# Altium PCB PCB1.PcbDoc (part 1 of 2)
Units mil, origin at the board's own origin, x right, y up, seen from the top; angles counter-clockwise.
Board outline 2755.91 x 2755.91 mil, 2 copper layers (Top Layer, Bottom Layer); 175 components, 102 nets, 607 pads, 396 vias.
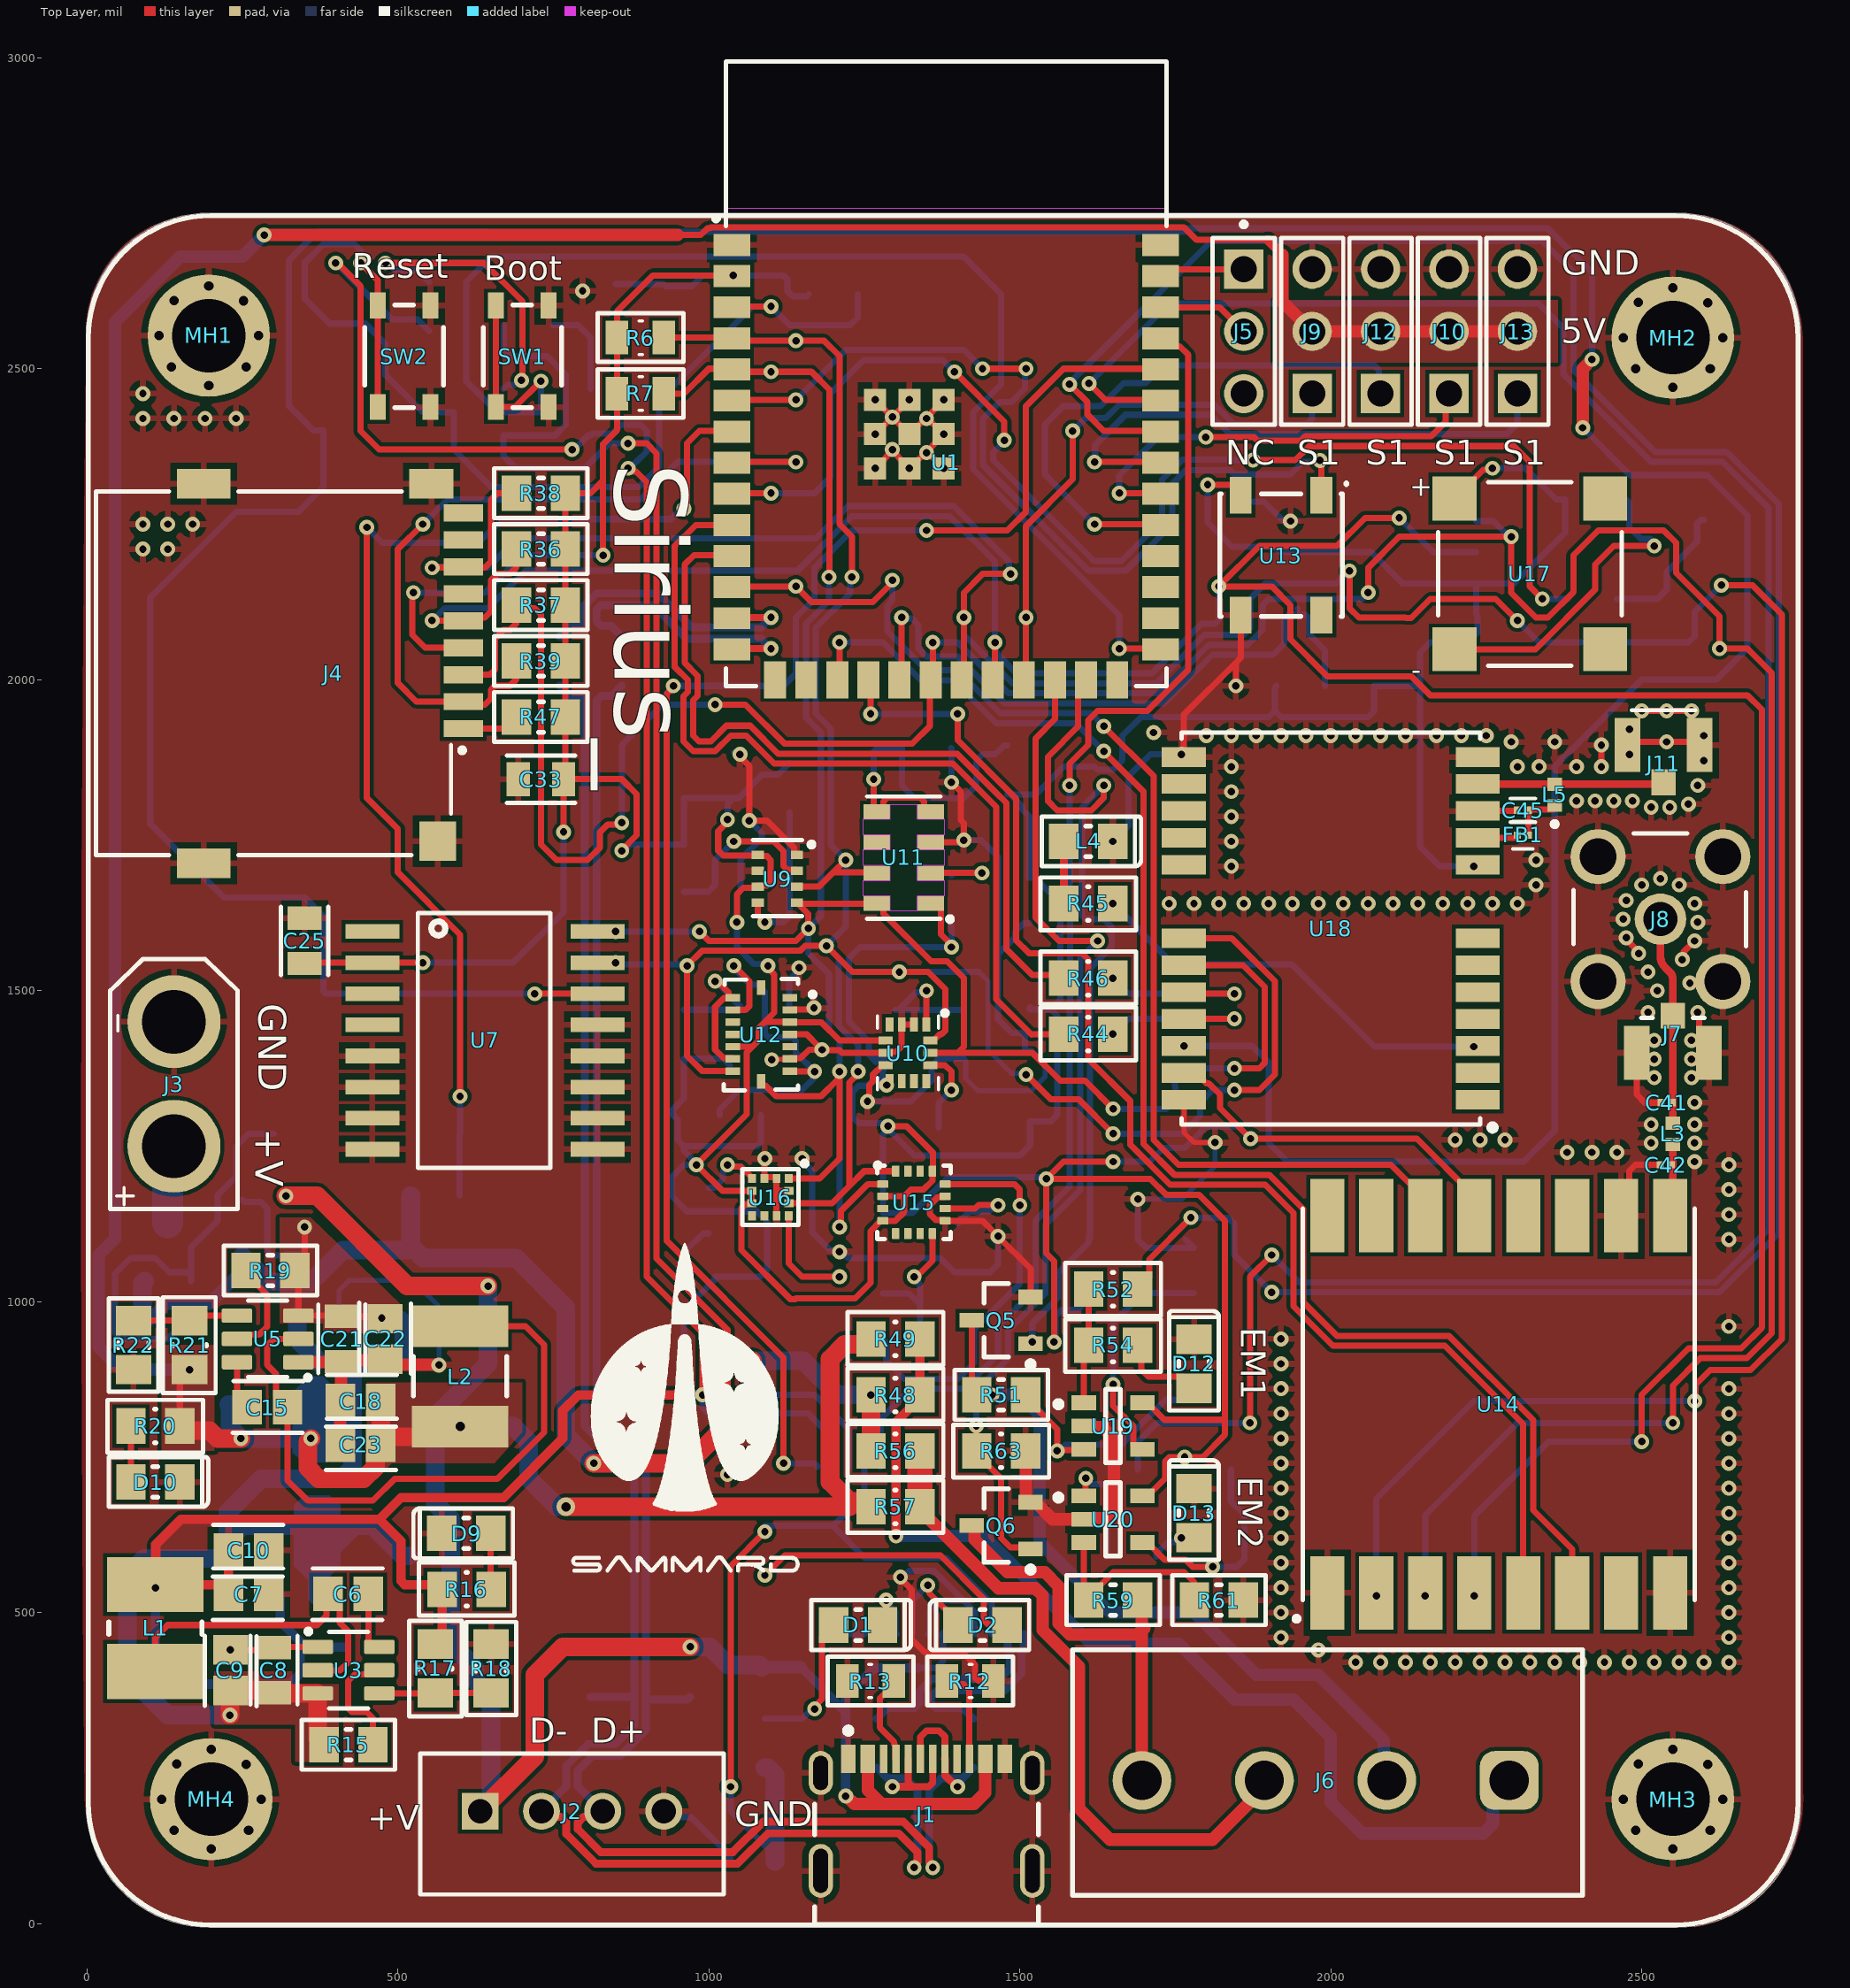
[diagram p0: Top Layer view]
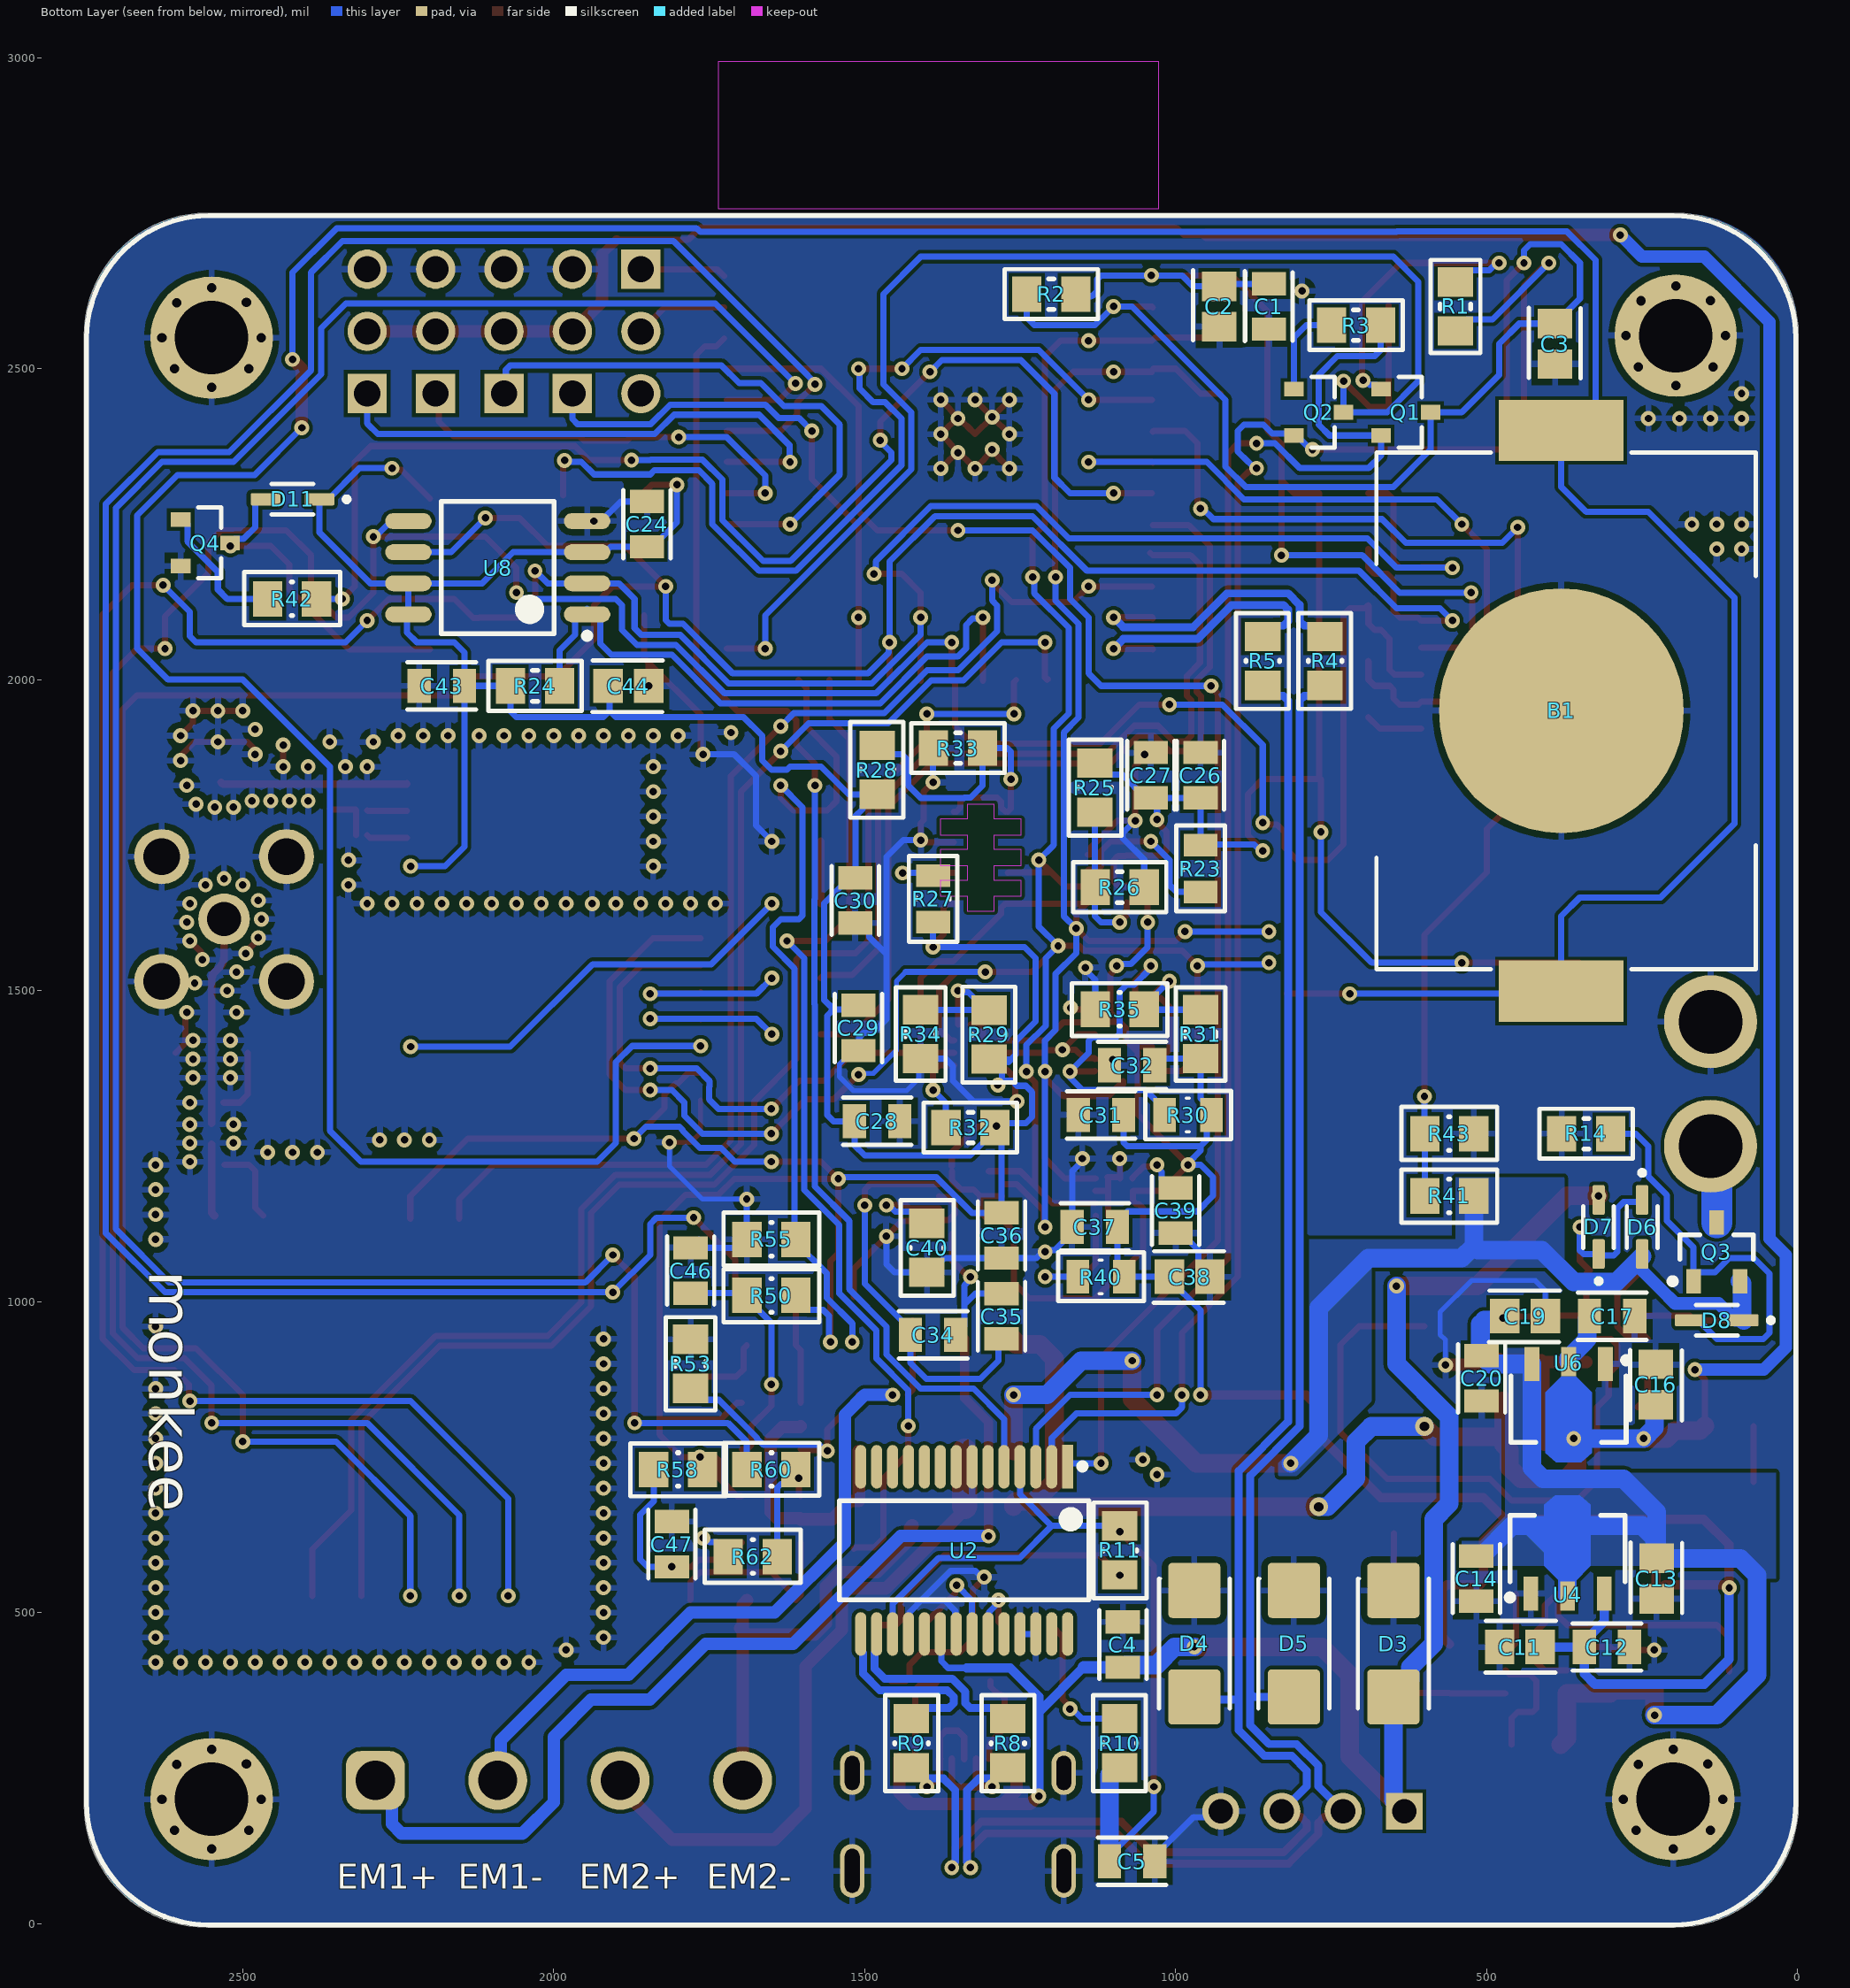
[diagram p1: Bottom Layer view, seen from below]
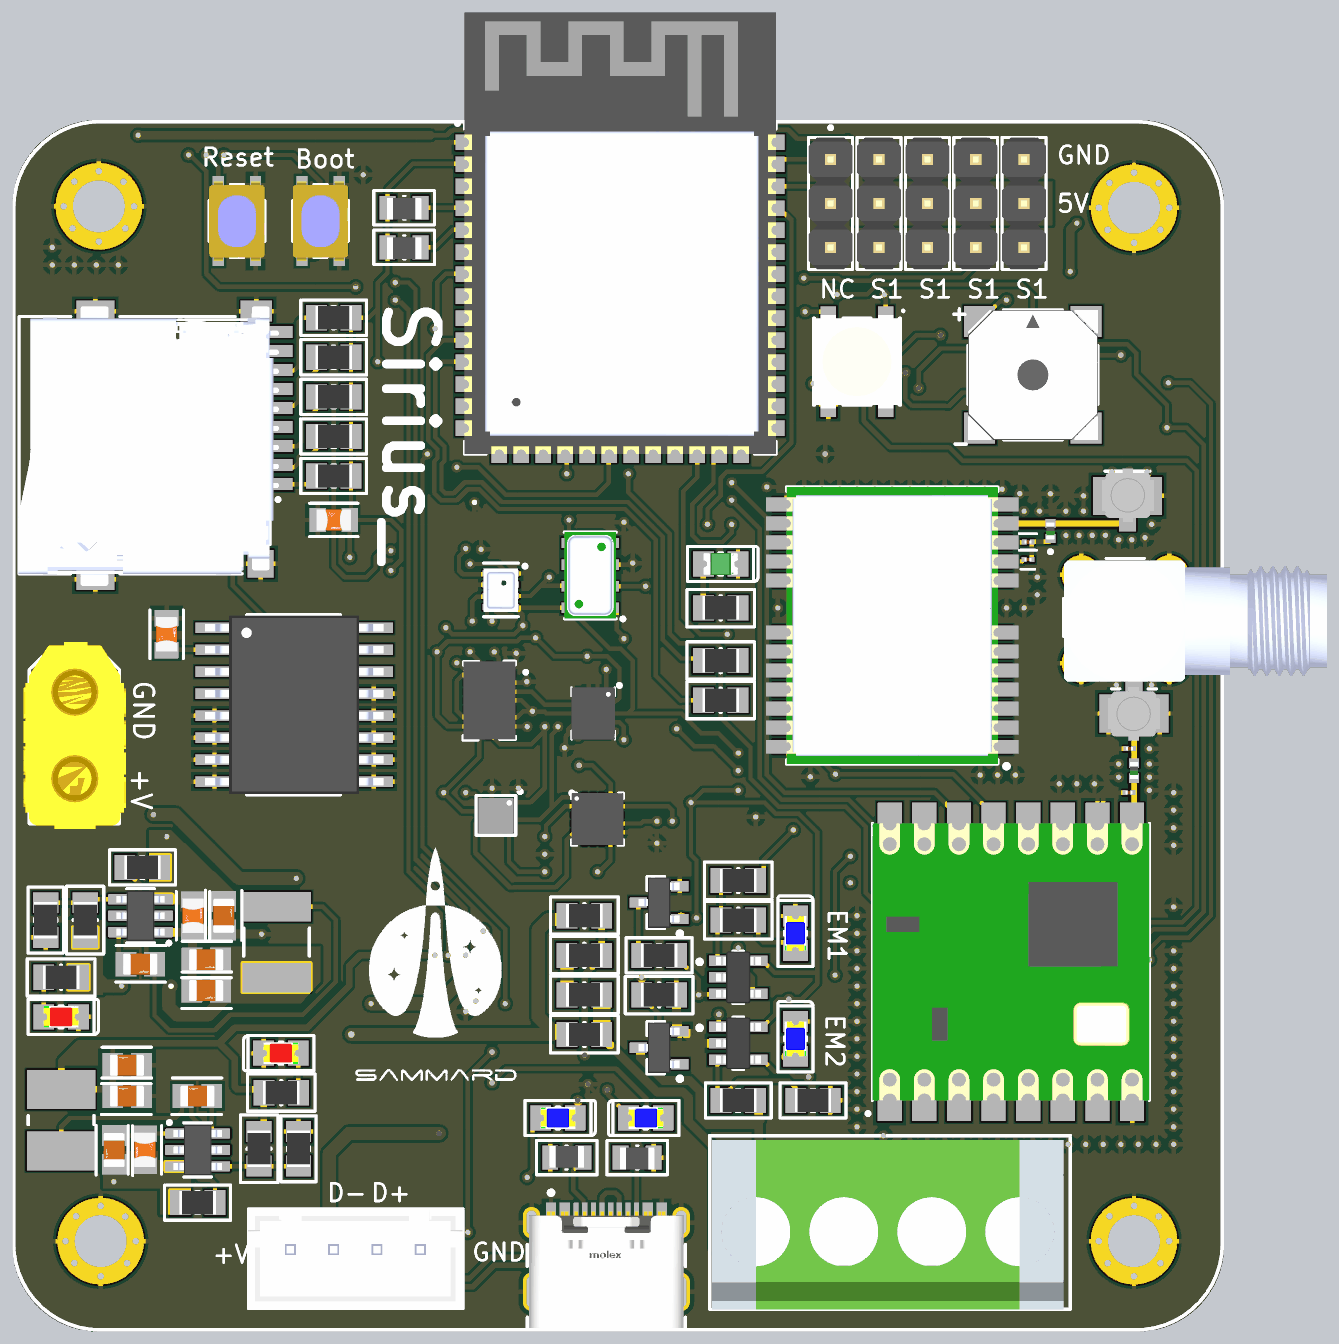
[diagram p3: 3D render of the assembled board from above, using the file's embedded part models]
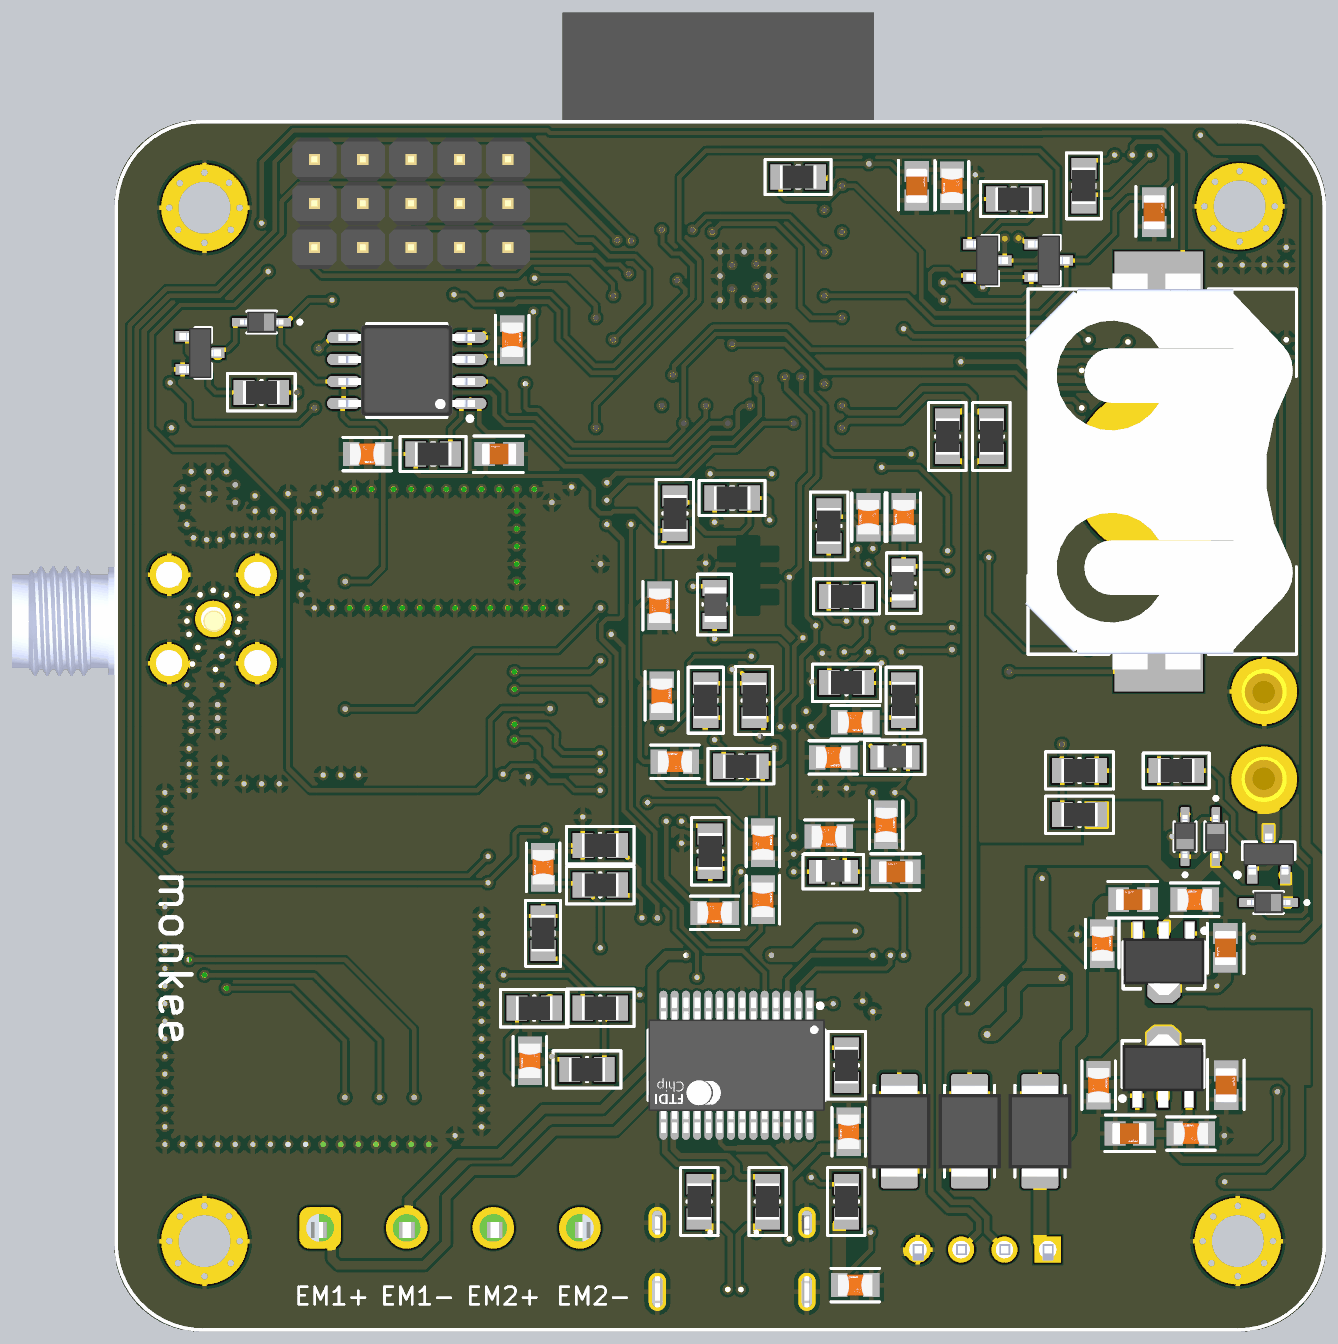
[diagram p4: 3D render of the assembled board from below, using the file's embedded part models]

## Layer stack, top to bottom
Top Solder: solder mask 0.4, Solder Resist, Dk 3.5
Top Layer: signal copper 1.4
Dielectric 1: dielectric 12.6, FR-4, Dk 4.8
Bottom Layer: signal copper 1.4
Bottom Solder: solder mask 0.4, Solder Resist, Dk 3.5

## Board outline
-0.91,190.94 -0.91,2553.15 cw(c195.94,2553.15) 195.94,2750 2558.15,2750 cw(c2558.15,2553.15) 2755,2553.15 2755,190.94 cw(c2558.15,190.94) 2558.15,-5.91 195.94,-5.91 cw(c195.94,190.94)

## Design rules (kind name [scope] priority, off if disabled: settings)
Clearance [All] p1: gap=6 ignorepadtopadclearanceinfootprint=FALSE
DiffPairsRouting DIFF90 [InDifferentialPairClass('DIFF90')] p1: maxlimit=8 minlimit=5 mostfreqgap=6 toplayer_minwidth=10.91 toplayer_maxwidth=15 toplayer_prefwidth=12.65 bottomlayer_minwidth=10.91 bottomlayer_maxwidth=15 bottomlayer_prefwidth=12.65 impedanceprofiledriven=TRUE impedanceprofileid={0E5BE4F1-591C-4391-A600-BB6C3AAD4120} impedanceprofilevalue=90.000000 maxuncoupledlength=500
DiffPairsRouting DiffPairsRouting_1 [All] p2: maxlimit=10 minlimit=10 mostfreqgap=10 toplayer_minwidth=15 toplayer_maxwidth=15 toplayer_prefwidth=15 bottomlayer_minwidth=15 bottomlayer_maxwidth=15 bottomlayer_prefwidth=15 maxuncoupledlength=500
HoleSize [All] p1: absolutevalues=TRUE maxlimit=150 minlimit=7.87 maxpercent=80.000 minpercent=20.000
MinimumSolderMaskSliver [All] p1: minsoldermaskwidth=9
PolygonConnect "Polygon BatV" [InNet('+BAT_V')] p1: connectstyle=Direct reliefconductorwidth=10 reliefentries=4 polygonreliefangle="90 Angle" airgapwidth=10
PolygonConnect "Polygon Vin" [InNet('VIN')] p2: connectstyle=Direct reliefconductorwidth=10 reliefentries=4 polygonreliefangle="90 Angle" airgapwidth=10
PolygonConnect "Polygon 5V" [InNet('+5V')] p3: connectstyle=Direct reliefconductorwidth=10 reliefentries=4 polygonreliefangle="90 Angle" airgapwidth=10
PolygonConnect PolygonConnect_1 [All] p4: connectstyle=Relief reliefconductorwidth=10 reliefentries=4 polygonreliefangle="90 Angle" airgapwidth=10
RoutingVias [All] p1: holewidth=28 width=24 viastyle="Through Hole" minholewidth=10 minwidth=15 maxholewidth=28 maxwidth=50
SilkToSolderMaskClearance [IsPad] p1: minsilkscreentomaskgap=6 clearancetoexposedcopper=TRUE
SolderMaskExpansion [All] p1: expansion=4 istentingtop=FALSE
SupplyNets "Schematic Supply Nets_4" [InNet('GND')] p1: voltage=0.000
SupplyNets "Schematic Supply Nets_3" [InNet('+5V')] p2: voltage=0.000
SupplyNets "Schematic Supply Nets_2" [InNet('+BAT_V')] p3: voltage=0.000
SupplyNets "Schematic Supply Nets_1" [InNet('+3V3')] p4: voltage=0.000
SupplyNets "Schematic Supply Nets" [InNet('+5V_USB')] p5: voltage=0.000
Width RF50 [InNetClass('RF')] p1: maxlimit=12.6 minlimit=12.6 preferedwidth=12.6 impedanceprofiledriven=TRUE impedanceprofileid={136A944B-8563-48D6-938C-730D5EC121E6} impedanceprofilevalue=50.000000 minimp=50.000000 maximp=50.000000 favimp=50.000000
Width Width_1 [All] p2: maxlimit=100 minlimit=8 preferedwidth=10 minimp=50.000000 maximp=50.000000 favimp=50.000000
26 further rules are at their usual default settings.

## Classes and differential pairs
component class "Pyro Channel": C46 C47 D12 D13 J6 Q5 Q6 R48 R49 R50 R51 R52 R53 R54 R55 R56 R57 R58 R59 R60 R61 R62 R63 U19 U20
differential pair class DIFF90: ESP FTDI USBD
net class RF: LR_ANT NetC41_2 RF_IN
differential pair ESP: +ESP_P -ESP_N
differential pair FTDI: +FTDI_P -FTDI_N
differential pair USBD: +USBD_P -USBD_N

## Components (designator, comment, footprint, x,y, rotation, side; value= is the part's Value field where it differs from the comment)
B1 "3V" "BATTERY HOLDER" 380,1950 r90 bottom locked
C1 "0.1uf/100nf" "0.1UF CAPACITOR" 850,2600 r270 bottom locked value=100nF
C2 "1uF" "10UF CAPACITOR" 930,2600 r90 bottom locked
C3 "1uF" "10UF CAPACITOR" 390,2540 r90 bottom locked
C4 "0.1uf/100nf" "0.1UF CAPACITOR" 1085,448.58 r270 bottom locked value=100nF
C5 "0.1uf/100nf" "0.1UF CAPACITOR" 1070,100 r0 bottom locked value=100nF
C6 "1uF" "10UF CAPACITOR" 420,530 r180 top locked
C7 "22uF" "10UF CAPACITOR" 260,530 r180 top locked
C8 "0.1uf/100nf" "0.1UF CAPACITOR" 300.59,407.4 r270 top locked value=100nF
C9 "22uF" "10UF CAPACITOR" 230.59,407.4 r270 top locked
C10 "22uF" "10UF CAPACITOR" 260,600 r180 top locked
C11 "22uF" "10UF CAPACITOR" 446.65,444.69 r180 bottom locked
C12 "0.1uf/100nf" "0.1UF CAPACITOR" 306.65,444.69 r0 bottom locked value=100nF
C13 "10uF" "10UF CAPACITOR" 226.65,554.69 r90 bottom locked
C14 "0.1uf/100nf" "0.1UF CAPACITOR" 516.65,554.69 r90 bottom locked value=100nF
C15 "1uF" "10UF CAPACITOR" 290,830 r0 top locked
C16 "22uF" "10UF CAPACITOR" 228.19,866.69 r270 bottom locked
C17 "0.1uf/100nf" "0.1UF CAPACITOR" 298.19,976.69 r0 bottom locked value=100nF
C18 "22uF" "10UF CAPACITOR" 440,840 r0 top locked
C19 "10uF" "10UF CAPACITOR" 438.19,976.69 r0 bottom locked
C20 "0.1uf/100nf" "0.1UF CAPACITOR" 508.19,876.69 r90 bottom locked value=100nF
C21 "0.1uf/100nf" "0.1UF CAPACITOR" 410,940 r90 top locked value=100nF
C22 "22uF" "10UF CAPACITOR" 480,940 r90 top locked
C23 "22uF" "10UF CAPACITOR" 440,770 r0 top locked
C24 "0.1uf/100nf" "0.1UF CAPACITOR" 1850,2250 r90 bottom locked value=100nF
C25 "0.1uf/100nf" "0.1UF CAPACITOR" 350,1580 r90 top locked value=100nF
C26 "0.1uf/100nf" "0.1UF CAPACITOR" 960,1846.42 r270 bottom locked value=100nF
C27 "0.1uf/100nf" "0.1UF CAPACITOR" 1040,1846.42 r270 bottom locked value=100nF
C28 "0.1uf/100nf" "0.1UF CAPACITOR" 1480,1290 r0 bottom locked value=100nF
C29 "0.1uf/100nf" "0.1UF CAPACITOR" 1510,1440 r90 bottom locked value=100nF
C30 "0.1uf/100nf" "0.1UF CAPACITOR" 1515,1645 r90 bottom locked value=100nF
C31 "0.1uf/100nf" "0.1UF CAPACITOR" 1120,1300 r180 bottom locked value=100nF
C32 "0.1uf/100nf" "0.1UF CAPACITOR" 1070,1380 r180 bottom locked value=100nF
C33 "0.1uf/100nf" "0.1UF CAPACITOR" 730,1840 r0 top locked value=100nF
C34 "0.1uf/100nf" "0.1UF CAPACITOR" 1390,946.42 r180 bottom locked value=100nF
C35 "0.1uf/100nf" "0.1UF CAPACITOR" 1280,976.42 r90 bottom locked value=100nF
C36 "0.1uf/100nf" "0.1UF CAPACITOR" 1280,1106.42 r90 bottom locked value=100nF
C37 "0.1uf/100nf" "0.1UF CAPACITOR" 1130,1120 r180 bottom locked value=100nF
C38 "1uF" "10UF CAPACITOR" 977.47,1040 r0 bottom locked
C39 "0.1uf/100nf" "0.1UF CAPACITOR" 1000,1146.42 r90 bottom locked value=100nF
C40 "4.7uF" "1K 0805 RESISTOR" 1400,1086.42 r90 bottom locked
C41 "3.3pF" 3.3PF 2540,1320 r0 top locked
C42 "3.3pF" 3.3PF 2538.74,1220 r0 top locked
C43 "0.1uf/100nf" "0.1UF CAPACITOR" 2180,1990 r180 bottom locked value=100nF
C44 "1uF" "10UF CAPACITOR" 1880,1990 r0 bottom locked
C45 "10nF" 3.3PF 2308.74,1790 r0 top locked
C46 "0.1uf/100nf" "0.1UF CAPACITOR" 1780,1050 r270 bottom locked value=100nF
C47 "0.1uf/100nf" "0.1UF CAPACITOR" 1810,610 r270 bottom locked value=100nF
D1 "Blue, 0805" "LED BLUE" 1240,480 r0 top locked
D2 "Blue, 0805" "LED BLUE" 1440,480 r180 top locked
D3 "TVS, SMBJ7.5CA" "TVS DIODE" 650,450 r270 bottom locked
D4 "TVS, SMBJ7.5CA" "TVS DIODE" 970,450 r270 bottom locked
D5 "TVS, SMBJ7.5CA" "TVS DIODE" 810,450 r270 bottom locked
D6 "BAT54HT1G" SOD2513X110N 250,1120 r270 bottom locked
D7 "BAT54HT1G" SOD2513X110N 320,1120 r90 bottom locked
D8 "BAT54HT1G" SOD2513X110N 130,970 r0 bottom locked
D9 "RED, 0805" "LED RED" 609.96,627.4 r180 top locked
D10 "RED, 0805" "LED RED" 110,710 r0 top locked
D11 "BAT54HT1G" SOD2513X110N 2420,2290 r0 bottom locked
D12 "Blue, 0805" "LED BLUE" 1780,900 r90 top locked
D13 "Blue, 0805" "LED BLUE" 1780,660 r90 top locked
FB1 "1kOhm 10MHz" "1KOHM FERRITE BEAD 0402" 2308.74,1750 r180 top locked
J1 "Type-C" "TYPE C" 1350,130 r0 top locked
J2 "4 Pin JST" JST_B4B-XH-A 780,160 r180 top locked
J3 "XT30U-F" XT30UPB-F 140,1350 r90 top locked
J4 "Micro SD Card" "MICRO SD CARD" 300,2010 r270 top locked
J5 "3Pin Header" "3 PIN HEADER" 1860,2560 r270 top locked
J6 "Screw terminal" "SCREW TERMINAL" 1990,220 r180 top locked
J7 "U.fl" U.FL 2550,1400 r180 top locked
J8 "SMA" SMA_CONNECTOR 2650,1620 r90 top locked
J9 "3Pin Header" "3 PIN HEADER" 1970,2560 r90 top locked
J10 "3Pin Header" "3 PIN HEADER" 2190,2560 r90 top locked
J11 "U.fl" U.FL 2535,1895 r0 top locked
J12 "3Pin Header" "3 PIN HEADER" 2080,2560 r90 top locked
J13 "3Pin Header" "3 PIN HEADER" 2300,2560 r90 top locked
L1 "2.2uH" SWPA4030S 110,475.12 r90 top locked
L2 "3.3uH" SWPA5020 600,880 r270 top locked
L3 "10nH" "0402 10NH" 2550,1270 r270 top locked
L4 "Green" "LED GREEN" 1610,1740 r0 top locked
L5 "27nH" "0402 10NH" 2360,1815 r270 top locked
MH1 "PMH 3.0" PMH 195.94,2553.15 r0 top locked
MH2 "PMH 3.0" PMH 2550,2550 r0 top locked
MH3 "PMH 3.0" PMH 2550,200 r0 top locked
MH4 "PMH 3.0" PMH 200,200 r0 top locked
Q1 "NPN SS8050-G" TRANSISTOR_SS8050-G 630,2430 r180 bottom locked
Q2 "NPN SS8050-G" TRANSISTOR_SS8050-G 770,2430 r180 bottom locked
Q3 "SL2P10A" "P MOSFET SL2P10A" 130,1080 r90 bottom locked
Q4 "NPN SS8050-G" TRANSISTOR_SS8050-G 2560,2220 r180 bottom locked
Q5 "WNM2021" "P MOSFET SL2P10A" 1470,970 r180 top locked
Q6 "WNM2021" "P MOSFET SL2P10A" 1470,640 r180 top locked
R1 "10k Ohm" RESC2013X60X35ML10T20 550,2600 r90 bottom locked value=10kR
R2 "10k Ohm" RESC2013X60X35ML10T20 1200,2620 r180 bottom locked value=10kR
R3 "10k Ohm" RESC2013X60X35ML10T20 710,2570 r0 bottom locked value=10kR
R4 "0Ohm" "1K 0805 RESISTOR" 760,2030 r270 bottom locked value=0mR
R5 "0Ohm" "1K 0805 RESISTOR" 860,2030 r270 bottom locked value=0mR
R6 "5.1k Ohm" RESC2012X60N 890,2550 r180 top locked value=5.1kR
R7 "5.1k Ohm" RESC2012X60N 890,2460 r180 top locked value=5.1kR
R8 "27Ohm" "1K 0805 RESISTOR" 1270,290 r90 bottom locked value=27R
R9 "27Ohm" "1K 0805 RESISTOR" 1425,290 r90 bottom locked value=27R
R10 "1k Ohm" "1K 0805 RESISTOR" 1090,290 r270 bottom locked value=1kR
R11 "1k Ohm" "1K 0805 RESISTOR" 1090,600 r90 bottom locked value=1kR
R12 "5.1k Ohm" RESC2012X60N 1420,390 r180 top locked value=5.1kR
R13 "5.1k Ohm" RESC2012X60N 1260,390 r0 top locked value=5.1kR
R14 "10k Ohm" RESC2013X60X35ML10T20 340,1270 r180 bottom locked value=10kR
R15 "10k Ohm" RESC2013X60X35ML10T20 420.59,287.4 r0 top locked value=10kR
R16 "1k Ohm" "1K 0805 RESISTOR" 610.59,537.4 r180 top locked value=1kR
R17 "33.2k Ohm" "1K 0805 RESISTOR" 560,410 r90 top locked
R18 "10k Ohm" RESC2013X60X35ML10T20 650,410 r270 top locked value=10kR
R19 "10k Ohm" RESC2013X60X35ML10T20 295,1050 r180 top locked value=10kR
R20 "1k Ohm" "1K 0805 RESISTOR" 110,800 r0 top locked value=1kR
R21 "54.9k Ohm" "1K 0805 RESISTOR" 165,930 r270 top locked
R22 "10k Ohm" RESC2013X60X35ML10T20 75,930 r90 top locked value=10kR
R23 "5.1k Ohm" RESC2012X60N 960,1696.42 r90 bottom locked value=5.1kR
R24 "10k Ohm" RESC2013X60X35ML10T20 2030,1990 r0 bottom locked value=10kR
R25 "0Ohm" "1K 0805 RESISTOR" 1130,1826.42 r90 bottom locked value=0mR
R26 "10k Ohm" RESC2013X60X35ML10T20 1090,1666.42 r0 bottom locked value=10kR
R27 "5.1k Ohm" RESC2012X60N 1390,1647.6 r270 bottom locked value=5.1kR
R28 "0Ohm" "1K 0805 RESISTOR" 1480,1855 r270 bottom locked value=0mR
R29 "0Ohm" "1K 0805 RESISTOR" 1300,1429.37 r270 bottom locked value=0mR
R30 "5.1k Ohm" RESC2012X60N 980,1300 r180 bottom locked value=5.1kR
R31 "10k Ohm" RESC2013X60X35ML10T20 960,1430 r270 bottom locked value=10kR
R32 "10k Ohm" RESC2013X60X35ML10T20 1330,1280 r0 bottom locked value=10kR
R33 "10k Ohm" RESC2013X60X35ML10T20 1350,1890 r180 bottom locked value=10kR
R34 "10k Ohm" RESC2013X60X35ML10T20 1410,1430 r90 bottom locked value=10kR
R35 "0Ohm" "1K 0805 RESISTOR" 1090,1470 r180 bottom locked value=0mR
R36 "10k Ohm" RESC2013X60X35ML10T20 730,2210 r0 top locked value=10kR
R37 "10k Ohm" RESC2013X60X35ML10T20 730,2120 r0 top locked value=10kR
R38 "10k Ohm" RESC2013X60X35ML10T20 730,2300 r0 top locked value=10kR
R39 "10k Ohm" RESC2013X60X35ML10T20 730,2030 r0 top locked value=10kR
R40 "5.1k Ohm" RESC2012X60N 1120,1040 r180 bottom locked value=5.1kR
R41 "22k ohm" "1K 0805 RESISTOR" 560,1170 r180 bottom locked
R42 "1k Ohm" "1K 0805 RESISTOR" 2420.63,2130 r0 bottom locked value=1kR
R43 "15k ohm" "1K 0805 RESISTOR" 560,1270 r0 bottom locked